# Altium PCB Tigershark 3D R2.PcbDoc (part 3 of 4) (continued)
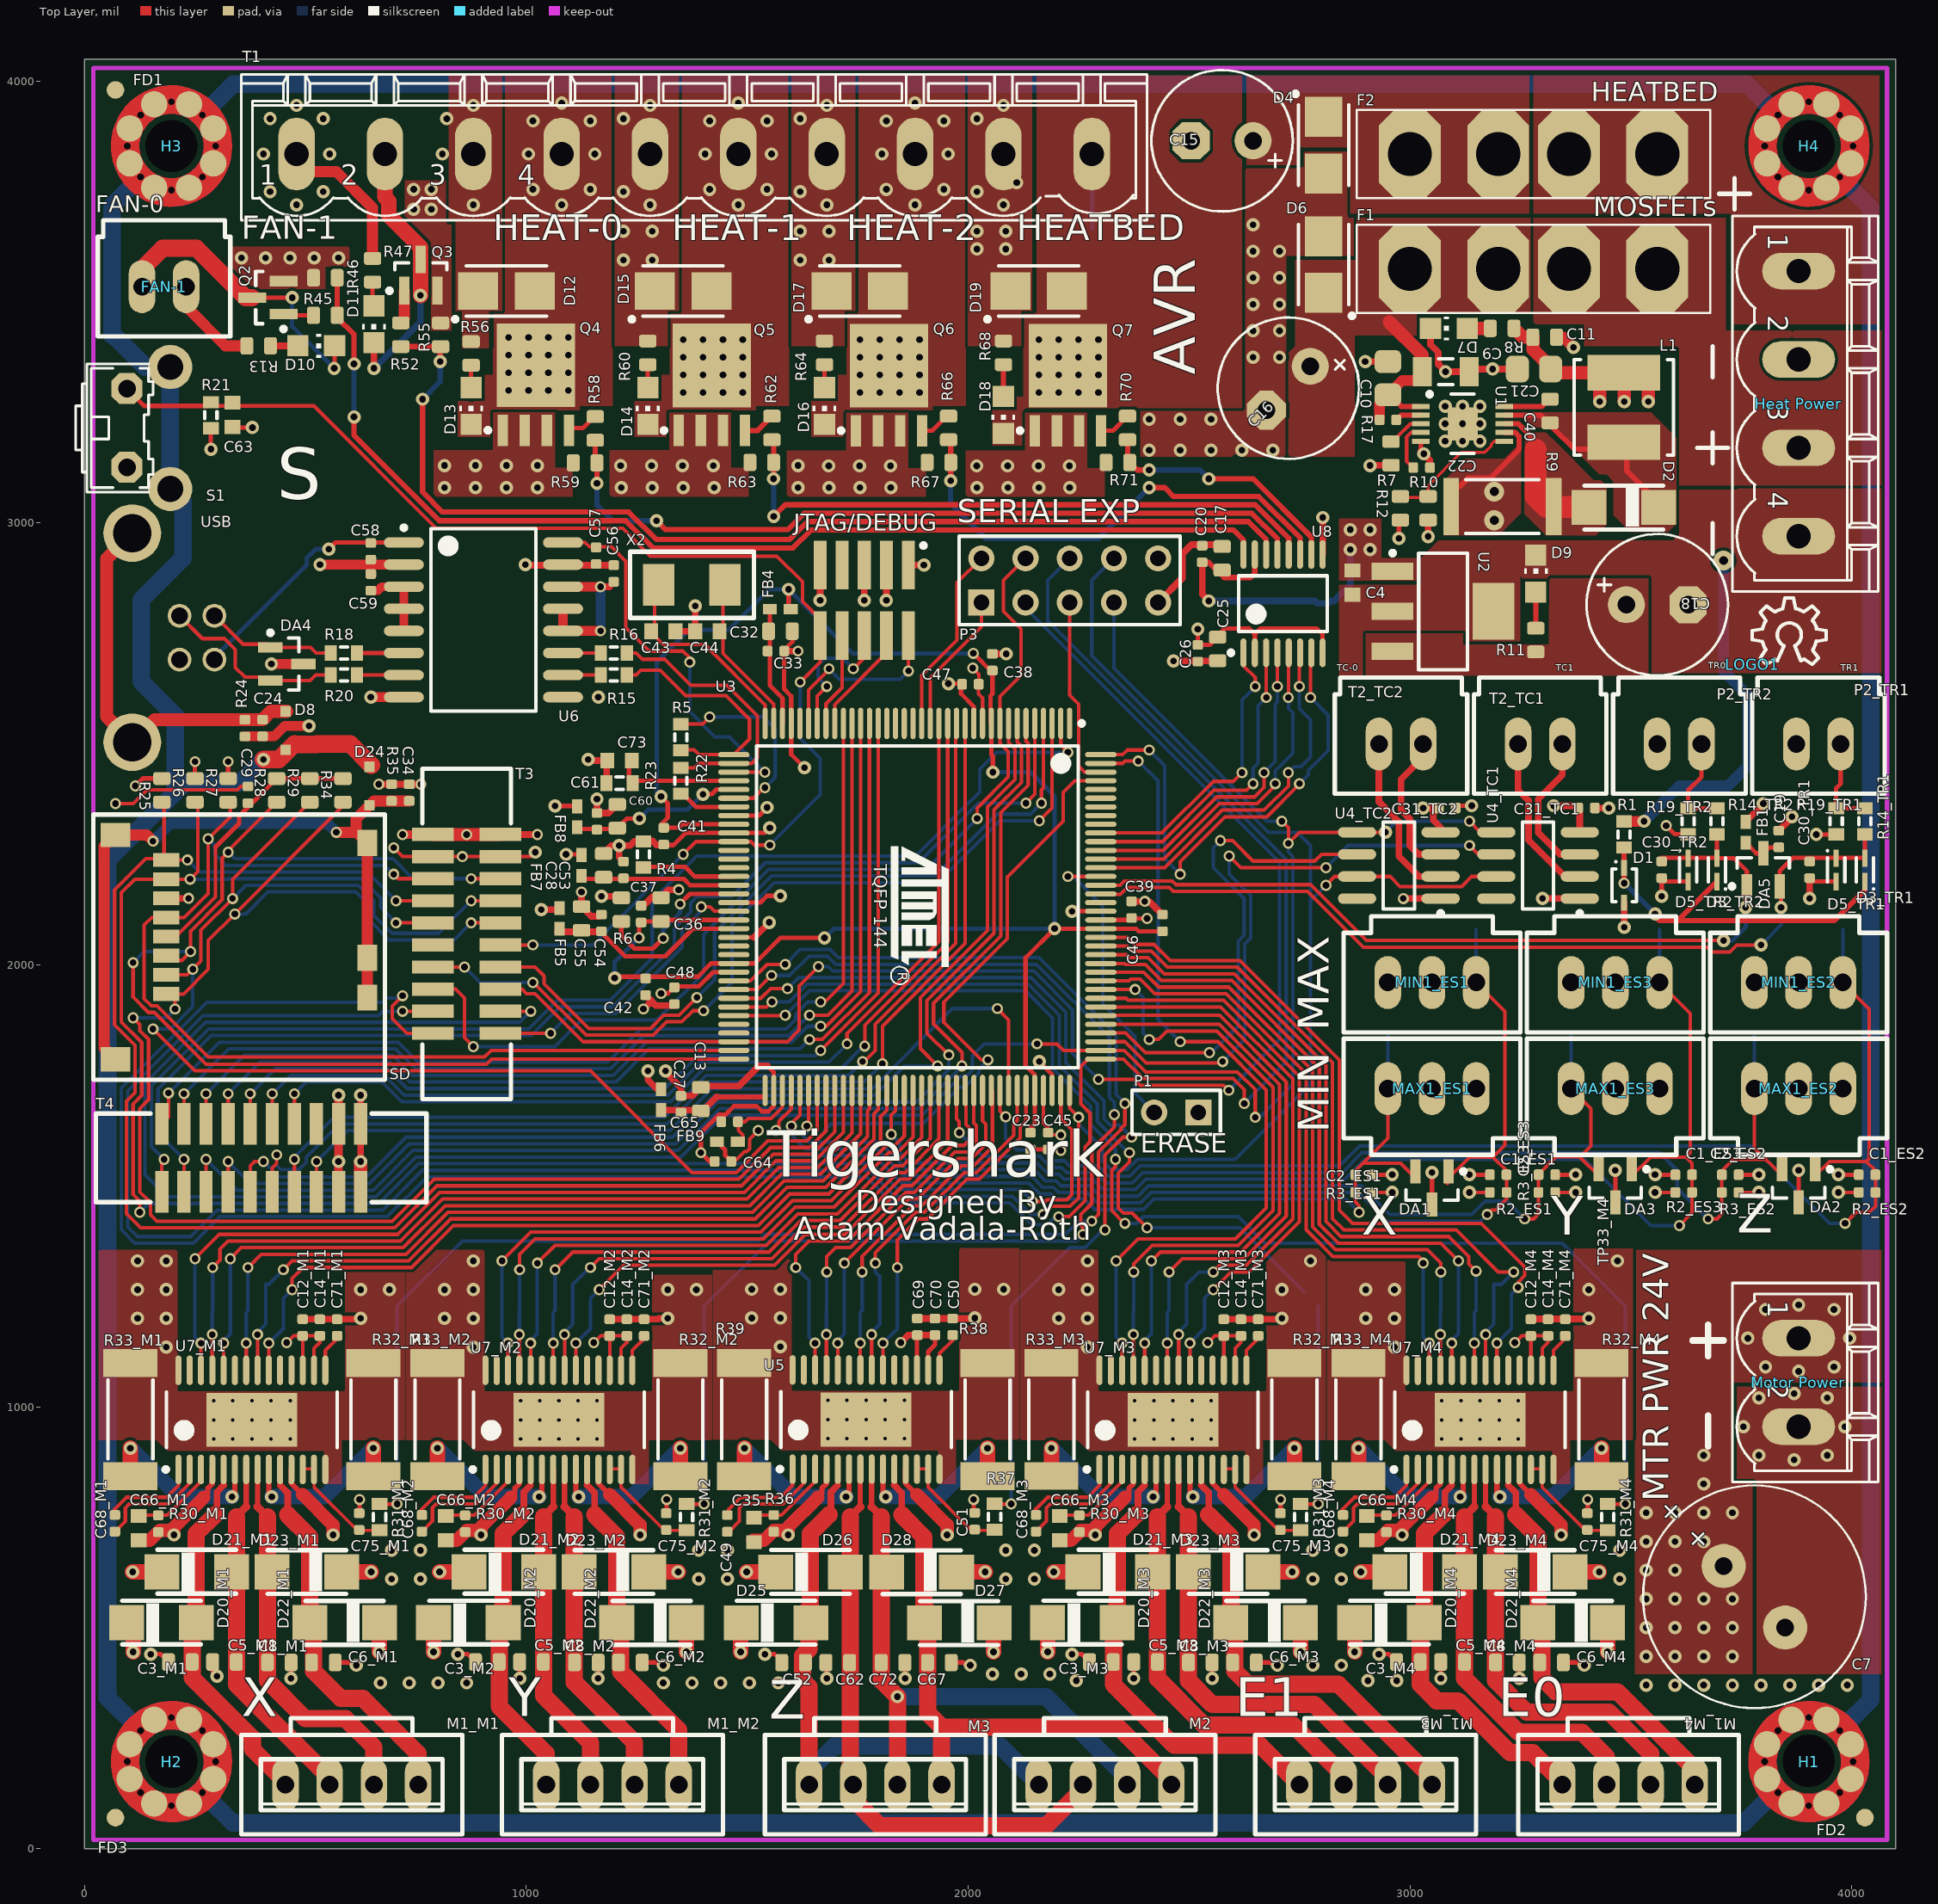
[diagram p0: Top Layer view]
## Nets (pads, with @x,y where several pads share a name; then routed paths per layer and width w, separated by ;. In a path a pad name is that pad's centre, name@x,y a point inside that pad or via, vN(x,y) a via of type N, cw(c..) or ccw(c..) an arc to the next point about the centre after c; other vN are vias at no path point) (continued)
  Bottom Layer w8: v2(110,1880) 185,1880 v2(205,1900) ; v2(340,2115) 365,2115 415,2165 613.79,2165 640,2138.79 640,2105.55 689.05,2056.5 836.5,2056.5 v2(875,2095)
MCDZ3: R29.1 SD.2 T3.13 U3.79 | length 3231.1
  Top Layer w8: v2(155,1855) 250,1760 1145,1760 1375,1530 1474.98,1530 1546.48,1601.5 1634.73,1601.5 1658.5,1625.27 1658.5,1715.63 U3.79@1658.62,1715.75 ; SD.2@185,1977.31 232.31,1977.31 263.5,2008.5 263.5,2078.5 v2(335,2150) 335,2193.23 R29.1@510,2368.23 ; v2(875,2145) T3.13@941.77,2145
  Bottom Layer w8: v2(155,1855) 195,1855 245,1905 v2(245,1990) ; v2(335,2150) 365,2180 620,2180 655,2145 655,2111.77 695.27,2071.5 801.5,2071.5 v2(875,2145)
MIN_ES1: C1_ES1.1 DA1.1 MIN1_ES1.1 R2_ES1.1 TP9_ES1.1 U3.77 | length 2636.5
  Top Layer w8: v2(1600,1635) 1600,1641.21 1619.25,1660.47 U3.77@1619.25,1715.75 ; DA1.1@3085,1505 3080,1510 3135,1565 3188.03,1565 ; MIN1_ES1.1@3150,1960 3215,1895 3215,1591.97 3188.03,1565 ; v2(3175,1435) 3185,1445 3193.9,1445 3218.9,1470 ; R2_ES1.1@3218.9,1485 3218.9,1534.13 3188.03,1565
  Bottom Layer w8: v2(1600,1635) 1600,1625 1595,1620 1631.5,1583.5 1793.28,1583.5 1855.33,1521.46 2143.69,1521.46 2168.65,1496.5 2192.95,1496.5 2204.45,1485 2269.2,1485 2292.7,1461.5 2390.8,1461.5 2414.3,1485 2883.23,1485 2948.23,1420 3160,1420 v2(3175,1435) ; MIN1_ES1.1@3150,1960 TP9_ES1.1@3150,2080
MIN_ES2: C1_ES2.1 DA2.1 MIN1_ES2.1 R2_ES2.1 TP9_ES2.1 U3.100 | length 3016
  Top Layer w8: U3.100@2072.01,1715.75 2072.01,1669.09 v2(2085,1656.1) ; DA2.1@3920,1519.8 3917.4,1522.4 3950,1555 4033.03,1555 ; MIN1_ES2.1@3980,1960 4040,1900 4040,1561.97 4033.03,1555 ; v2(3985,1415) 4010,1440 4040,1440 4053.9,1453.9 4053.9,1470 ; R2_ES2.1@4053.9,1485 4053.9,1534.13 4033.03,1555
  Bottom Layer w8: v2(2085,1656.1) 2085,1606.46 2110,1581.46 2168.54,1581.46 2193.5,1556.5 2217.8,1556.5 2229.3,1545 2294.05,1545 2317.55,1521.5 2365.95,1521.5 2389.45,1545 2840.7,1545 2885.7,1590 3775,1590 3950,1415 v2(3985,1415) ; MIN1_ES2.1@3980,1960 TP9_ES2.1@3980,2080
MIN_ES3: C1_ES3.1 DA3.1 MIN1_ES3.1 R2_ES3.1 TP9_ES3.1 U3.88 | length 2889.1
  Top Layer w8: v2(1826.1,1616.1) 1826.1,1659.89 1835.79,1669.57 U3.88@1835.79,1715.75 ; DA3.1@3502.4,1522.4 3545,1565 3625,1565 ; MIN1_ES3.1@3565,1960 3635,1890 3635,1574.91 3625.04,1564.96 3638.7,1551.3 C1_ES3.1@3638.7,1525 R2_ES3.1@3638.7,1485 ; v2(3610,1410) 3638.7,1438.7 3638.7,1470
  Bottom Layer w8: v2(1826.1,1616.1) 1845,1597.2 1845,1574.21 1867.75,1551.46 2156.12,1551.46 2181.07,1526.5 2205.37,1526.5 2216.87,1515 2281.63,1515 2305.13,1491.5 2378.37,1491.5 2401.87,1515 2853.13,1515 2898.13,1560 3395,1560 3545,1410 v2(3610,1410) ; MIN1_ES3.1@3565,1960 TP9_ES3.1@3565,2080
MISO: P3.8 T3.4 TP7.1 U3.108 U4_TC1.7 U4_TC2.7 | length 6201.2
  Top Layer w8: v2(720,1895) T3.4@788.23,1895 ; v2(2170,1435) 2188.5,1453.5 2231.07,1453.5 2250,1472.43 v2(2250,1655) 2229.49,1675.51 U3.108@2229.49,1715.75 ; v2(2810,2180) 2830,2200 U4_TC2.7@2880.51,2200 2955,2200 2977.81,2177.19 3117.19,2177.19 3140,2200 U4_TC1.7@3195.51,2200
  Bottom Layer w8: v2(720,1895) 675,1895 665,1885 268.13,1885 98,1714.87 98,1407 120,1385 240,1385 300,1445 347.8,1445 675,1445 765,1535 1776.21,1535 1834.76,1476.46 2100.31,1476.46 2141.77,1435 v2(2170,1435) ; v2(2250,1655) 2250,1640 2304.05,1585.95 2304.05,1556.21 2323.77,1536.5 2359.73,1536.5 2383.23,1560 2605,1560 2775,1730 TP7.1@2775,2105 2775,2145 ; P3.8@2330,2920 2280,2870 2280,2700 2680,2300 2745,2300 2775,2270 2775,2145 ; v2(2810,2180) 2775,2145
MOD0E1: TP37_M1.1 U3.84 U7_M1.24 | length 1900
  Top Layer w8: U7_M1.24@314.76,1083.46 v3(314.76,1143.9) ; v3(330,1335) 355,1360 721.36,1360 816.36,1455 1506.04,1455 1577.54,1526.5 1665.8,1526.5 1757.05,1617.75 U3.84@1757.05,1715.75
  Bottom Layer w8: v3(314.76,1143.9) 314.76,1149.83 329.97,1165.03 TP37_M1.1@329.97,1277.03 v3(330,1335)
MOD0E2: TP37_M2.1 U3.91 U7_M2.24 | length 1342
  Top Layer w8: U7_M2.24@1009.76,1083.46 v3(1009.76,1143.9) ; v3(1025,1325) 1065,1365 1543.32,1365 1614.82,1436.5 1704.22,1436.5 1827.72,1560 1845.66,1560 1894.84,1609.18 U3.91@1894.84,1715.75
  Bottom Layer w8: v3(1009.76,1143.9) 1009.76,1149.83 1024.97,1165.03 TP37_M2.1@1024.97,1277.03 v3(1025,1325)
MOD0E3: TP37_M3.1 U3.113 U7_M3.24 | length 1340.1
  Top Layer w8: U3.113@2300.35,1865.35 2568.73,1865.35 2705,1729.08 2705,1437.43 2617.57,1350 2435,1350 v3(2415,1330) ; U7_M3.24@2399.76,1083.46 v3(2399.76,1143.9)
  Bottom Layer w8: v3(2399.76,1143.9) 2399.76,1149.83 2414.97,1165.03 TP37_M3.1@2414.97,1277.03 v3(2415,1330)
MOD0E4: TP37_M4.1 U3.120 U7_M4.24 | length 1548.2
  Top Layer w8: U3.120@2300.35,2003.15 2354.06,2003.15 2356.1,2001.1 2401.1,2001.1 2437.48,1964.72 2596.64,1964.72 2795,1766.36 2795,1413.13 2838.13,1370 3070,1370 v3(3109.97,1330.03) ; U7_M4.24@3094.76,1083.46 v3(3094.76,1143.9)
  Bottom Layer w8: v3(3094.76,1143.9) 3094.76,1149.83 3109.97,1165.03 TP37_M4.1@3109.97,1277.03 v3(3109.97,1330.03)
MOD0E_Z: TP19.1 U3.98 U5.24 | length 798.3
  Top Layer w8: U5.24@1704.8,1083.43 v3(1704.8,1143.87) ; v3(1720,1325) 1865,1470 1884.85,1470 1976.35,1561.5 2007.71,1561.5 2040,1593.79 2040,1640 2032.64,1647.36 U3.98@2032.64,1715.75
  Bottom Layer w8: v3@1704.8,1149.8 1720,1165 TP19.1@1720,1266 v3(1720,1325)
MOD1E1: TP36_M1.1 U3.83 U7_M1.25 | length 1916.4
  Top Layer w8: U7_M1.25@289.17,1083.46 v3(289.17,1163.31) ; v3(290,1315) 306.5,1331.5 306.5,1356.5 325,1375 715.15,1375 810.15,1470 1499.83,1470 1571.33,1541.5 1659.59,1541.5 1737.36,1619.28 U3.83@1737.36,1715.75
  Bottom Layer w8: v3(289.17,1163.31) 289.17,1216.24 TP36_M1.1@289.97,1217.03 v3(290,1315)
MOD1E2: TP36_M2.1 U3.90 U7_M2.25 | length 1367.1
  Top Layer w8: U7_M2.25@984.17,1083.46 v3(984.17,1163.31) ; v3(985,1310) 985,1345 1020,1380 1537.11,1380 1608.61,1451.5 1696.87,1451.5 1821.08,1575.72 1840.16,1575.72 1875.16,1610.71 U3.90@1875.16,1715.75
  Bottom Layer w8: v3(984.17,1163.31) 984.17,1216.24 TP36_M2.1@984.97,1217.03 984.97,1265 ; 985,1265.03 v3(985,1310)
MOD1E3: TP36_M3.1 U3.117 U7_M3.25 | length 1420.3
  Top Layer w8: U3.117@2300.35,1944.09 v2(2378.11,1944.09) ; U7_M3.25@2374.17,1083.46 v3(2374.17,1163.31) ; v3(2375,1305) 2375,1323.23 2416.77,1365 2611.36,1365 2690,1443.64 2690,1722.87 2563.27,1849.6 2449.6,1849.6 2431.1,1831.1 v2(2410,1831.1)
  Bottom Layer w8: v3(2374.17,1163.31) 2374.17,1216.24 TP36_M3.1@2374.97,1217.03 v3@2374.97,1297.03 ; v2(2378.11,1944.09) 2396.1,1926.1 2396.1,1845 v2(2410,1831.1)
MOD1E4: TP36_M4.1 U3.119 U7_M4.25 | length 1483.2
  Top Layer w8: U3.119@2300.35,1983.46 2397.36,1983.46 2431.1,1949.72 2590.42,1949.72 2780,1760.15 2780,1406.91 2831.91,1355 3040,1355 3069.97,1325.03 v3(3069.97,1305.03) ; U7_M4.25@3069.17,1083.46 v3(3069.17,1163.31)
  Bottom Layer w8: v3(3069.17,1163.31) 3069.17,1216.24 TP36_M4.1@3069.97,1217.03 v3@3069.97,1297.03
MOD1E_Z: TP18.1 U3.97 U5.25 | length 815.8
  Top Layer w8: U5.25@1679.2,1083.43 v3(1679.2,1163.28) ; v3(1680,1305) 1680,1340 1700,1360 1733.79,1360 1858.79,1485 1878.64,1485 1970.14,1576.5 2001.5,1576.5 2018.5,1593.5 2018.5,1636.5 2012.95,1642.05 U3.97@2012.95,1715.75
  Bottom Layer w8: v3(1679.2,1163.28) TP18.1@1679.2,1216.2 ; TP18.1@1680,1217 v3@1680,1297
MOD2E1: TP35_M1.1 U3.82 U7_M1.26 | length 1938.2
  Top Layer w8: v3(250,1335) 305,1390 708.93,1390 803.93,1485 1493.62,1485 1565.12,1556.5 1653.37,1556.5 1717.68,1620.8 U3.82@1717.68,1715.75 ; U7_M1.26@263.58,1083.46 v3(263.58,1143.9)
  Bottom Layer w8: v3(250,1335) TP35_M1.1@249.97,1277.03 249.97,1157.51 v3(263.58,1143.9)
MOD2E2: TP35_M2.1 U3.89 U7_M2.26 | length 1383.1
  Top Layer w8: v3(945,1330) 1010,1395 1530.9,1395 1602.4,1466.5 1690.65,1466.5 1814.87,1590.72 1833.95,1590.72 1855.47,1612.24 U3.89@1855.47,1715.75 ; U7_M2.26@958.58,1083.46 v3(958.58,1143.9)
  Bottom Layer w8: v3(945,1330) TP35_M2.1@944.97,1277.03 944.97,1157.51 v3(958.58,1143.9)
MOD2E3: TP35_M3.1 U3.143 U7_M3.26 | length 1910.1
  Top Layer w8: U3.143@2300.35,2455.91 2349.8,2455.91 2355,2461.1 v2(2385,2461.1) ; v3(2335,1330) 2385,1380 2605.15,1380 2675,1449.85 2675,1716.65 2565.55,1826.1 v2(2480,1826.1) ; U7_M3.26@2348.58,1083.46 v3(2348.58,1143.9)
  Bottom Layer w8: v3(2335,1330) TP35_M3.1@2334.97,1277.03 2334.97,1157.51 v3(2348.58,1143.9) ; v2(2385,2461.1) 2430,2416.1 2430,1876.1 v2(2480,1826.1)
MOD2E4: TP35_M4.1 U3.118 U7_M4.26 | length 1454.4
  Top Layer w8: U3.118@2300.35,1963.78 2364.56,1963.78 2368.38,1967.59 2389.61,1967.59 2422.48,1934.72 2584.21,1934.72 2765,1753.93 2765,1400.7 2825.7,1340 3020,1340 v3@3030,1330 ; U7_M4.26@3043.58,1083.46 v3(3043.58,1143.9)
  Bottom Layer w8: TP35_M4.1@3029.97,1277.03 3029.97,1157.51 v3(3043.58,1143.9) ; TP35_M4.1@3030,1277.06 v3@3030,1330
  other v3: 3030,1325
MOD2E_Z: TP17.1 U3.96 U5.26 | length 896.7
  Top Layer w8: v3(1610,1315) 1610,1345 1640,1375 1727.57,1375 1852.57,1500 1872.43,1500 1963.93,1591.5 1991.5,1591.5 2003.5,1603.5 2003.5,1630.29 1995,1638.79 1995,1714.02 U3.96@1993.27,1715.75 ; U5.26@1653.61,1083.43 v3(1653.61,1143.87)
  Bottom Layer w8: v3(1610,1315) 1640,1285 1640,1157.48 v3(1653.61,1143.87)
MODE0_EXP1: T4.1 U3.2 | length 2802.2
  Top Layer w8: T4.1@175,1486.46 v2@175,1560 ; U3.2@2209.8,2546.46 2209.8,2497.4 v2(2226.1,2481.1)
  Bottom Layer w8: v2(180,1560) 151.5,1588.5 151.5,1725.95 280.55,1855 1005,1855 1070,1920 1189.94,1920 1285,2015.06 1285,2145 1386.1,2246.1 1880.91,2246.1 2004.41,2369.6 2004.6,2369.6 2026.1,2391.1 2026.1,2442.87 2064.33,2481.1 2211.1,2481.1
MODE0_EXP2: T4.2 U3.27 | length 2329.6
  Top Layer w8: T4.2@175,1640 190,1655 v2(190,1710) ; v2(1666.1,1916.1) 1676.1,1916.1 1717.68,1957.68 U3.27@1717.68,2546.46
  Bottom Layer w8: v2(190,1710) 305,1825 710,1825 755,1780 1184.59,1780 1259.3,1854.71 1587.95,1854.71 1609.6,1876.37 1609.6,1888.39 1637.32,1916.1 v2@1656.1,1916.1
MODE1_EXP1: T4.3 U3.5 | length 2713.3
  Top Layer w8: T4.3@225,1486.46 v2(225,1560) ; v2(2131.1,2366.1) 2151,2386 2151,2546.2 U3.5@2150.75,2546.46
  Bottom Layer w8: v2(225,1560) 166.5,1618.5 166.5,1719.73 286.77,1840 1011.21,1840 1076.21,1905 1196.16,1905 1335,2043.84 1335,2082.37 1371.82,2119.19 1371.82,2140.05 1386.37,2154.6 1464.6,2154.6 1541.1,2231.1 1887.12,2231.1 2010.62,2354.6 2010.82,2354.6 2022.32,2366.1 v2(2131.1,2366.1)
MODE1_EXP2: T4.4 U3.26 | length 2320.1
  Top Layer w8: T4.4@225,1640 v2(225,1708.23) ; v2(1641.1,1886.1) 1682.46,1886.1 1737.36,1941 U3.26@1737.36,2546.46
  Bottom Layer w8: v2(225,1708.23) 326.77,1810 703.79,1810 748.79,1765 1190.8,1765 1265.52,1839.71 1594.16,1839.71 1624.6,1870.16 1624.6,1870.82 1639.89,1886.1 v2(1641.1,1886.1)
MODE2_EXP1: T4.5 U3.6 | length 2822.9
  Top Layer w8: T4.5@275,1486.46 v2(275,1560) ; v2(1986.1,1771.1) 1986.1,1801.71 1921.71,1866.1 1921.71,1913.07 2073.86,2065.22 2073.86,2344.61 2136,2406.76 2136,2501.2 2131.06,2506.14 U3.6@2131.06,2546.46
  Bottom Layer w8: v2(275,1560) 345,1490 366.44,1490 653.56,1490 743.56,1580 1343.79,1580 1438.5,1674.71 1889.71,1674.71 v2(1986.1,1771.1)
MODE2_EXP2: T4.6 U3.25 | length 2290.3
  Top Layer w8: T4.6@275,1640 v2(275,1708.23) ; v2(1666.1,1861.1) 1678.68,1861.1 1757.05,1939.47 U3.25@1757.05,2546.46
  Bottom Layer w8: v2(275,1708.23) 361.77,1795 697.57,1795 742.57,1750 1197.02,1750 1271.73,1824.71 1600.37,1824.71 1636.76,1861.1 v2(1666.1,1861.1)
MOSI: P3.6 T3.2 TP8.1 U3.109 | length 5792.6
  Top Layer w8: v2@715,1935 715,1925 696.5,1906.5 696.5,1878.5 730,1845 T3.2@788.23,1845 ; v2(2205,1430) 2228.79,1430 2265,1466.21 2265,1531.63 2265,1588.37 2276.1,1599.48 2276.1,1663.9 2255,1685 2255,1770 2271.61,1786.61 U3.109@2300.35,1786.61 2351.95,1786.61 2395.96,1742.6 2599.6,1742.6 2625,1717.2 v2(2625,1686.1)
  Bottom Layer w8: 705,1925 685,1925 675,1915 276.91,1915 83,1721.09 83,1400.79 113.79,1370 246.21,1370 306.21,1430 341.59,1430 685,1430 775,1520 1770,1520 1828.54,1461.46 2094.1,1461.46 2144.05,1411.5 2179.73,1411.5 2198.23,1430 v2(2205,1430) ; P3.6@2230,2920 2180,2870 2180,2778.79 2720,2238.79 2720,1781.1 v2(2625,1686.1) v2@2625,1686.21
  other v2: 720,1930
NetC3_M1_1: C3_M1.1 D20_M1.A M1_M1.4 U7_M1.5 | length 826
  Top Layer w12: 314.76,822.28 U7_M1.5@314.76,859.06
  Top Layer w15: 295.74,755.74 299.5,759.5 299.5,807.02 314.76,822.28
  Top Layer w39: 295.74,755.74 252.74,712.74 252.74,546.26 243.74,537.26 243.74,386.26 380,250 380,225 M1_M1.4@455,150
NetC3_M2_1: C3_M2.1 D20_M2.A M1_M2.4 U7_M2.5 | length 787.5
  Top Layer w12: 1009.76,822.28 U7_M2.5@1009.76,859.06
  Top Layer w15: 990.74,755.74 994.5,759.5 994.5,807.02 1009.76,822.28
  Top Layer w39: 990.74,755.74 947.74,712.74 947.74,546.26 938.74,537.26 938.74,321.26 1045,215 M1_M2.4@1045,145
NetC3_M3_1: C3_M3.1 D20_M3.A M1_M3.4 U7_M3.5 | length 1032.2
  Top Layer w12: 2399.76,822.28 U7_M3.5@2399.76,859.06
  Top Layer w15: 2380.74,755.74 2384.5,759.5 2384.5,807.02 2399.76,822.28
  Top Layer w39: 2380.74,755.74 2337.74,712.74 2337.74,546.26 2328.74,537.26 2328.74,371.26 2466,234 2661,234 M1_M3.4@2750,145
NetC3_M4_1: C3_M4.1 D20_M4.A M1_M4.4 U7_M4.5 | length 930.1
  Top Layer w12: 3094.76,822.28 U7_M4.5@3094.76,859.06
  Top Layer w15: 3075.74,755.74 3079.5,759.5 3079.5,807.02 3094.76,822.28
  Top Layer w39: 3075.74,755.74 3032.74,712.74 3032.74,546.26 3023.74,537.26 3023.74,371.31 3060.7,334.36 3109.36,334.36 3226.71,217 3278,217 M1_M4.4@3345,150
NetC5_M1_1: C5_M1.1 D21_M1.A M1_M1.3 U7_M1.7 | length 788.7
  Top Layer w12: 365.94,773.46 U7_M1.7@365.94,859.06
  Top Layer w18: 343.74,751.26 365.94,773.46
  Top Layer w39: 343.74,751.26 343.74,371.26 M1_M1.3@550,165
NetC5_M2_1: C5_M2.1 D21_M2.A M1_M2.3 U7_M2.7 | length 767.3
  Top Layer w12: 1060.94,773.46 U7_M2.7@1060.94,859.06
  Top Layer w18: 1038.74,751.26 1060.94,773.46
  Top Layer w39: 1038.74,751.26 1038.74,346.26 1145,240 M1_M2.3@1145,145
NetC5_M3_1: C5_M3.1 D21_M3.A M1_M3.3 U7_M3.7 | length 1015.6
  Top Layer w12: 2450.94,773.46 U7_M3.7@2450.94,859.06
  Top Layer w18: 2428.74,751.26 2450.94,773.46
  Top Layer w39: 2428.74,751.26 2428.74,385.03 2533.77,280 2735,280 2850,165 M1_M3.3@2850,145
NetC5_M4_1: C5_M4.1 D21_M4.A M1_M4.3 U7_M4.7 | length 935.8
  Top Layer w12: 3145.94,773.46 U7_M4.7@3145.94,859.06
  Top Layer w18: 3123.74,751.26 3145.94,773.46
  Top Layer w39: 3123.74,751.26 3123.74,385.03 3245.77,263 3390,263 3445,208 M1_M4.3@3445,150
NetC6_M1_1: C6_M1.1 D22_M1.A M1_M1.1 U7_M1.10 | length 867.7
  Top Layer w12: 442.72,822.28 U7_M1.10@442.72,859.06
  Top Layer w15: 442.72,822.28 459.74,805.26 459.74,755.26
  Top Layer w39: 459.74,755.26 509.74,705.26 509.74,546.26 518.74,537.26 518.74,401.26 580,340 630,340 755,215 M1_M1.1@755,150
NetC6_M2_1: C6_M2.1 D22_M2.A M1_M2.1 U7_M2.10 | length 799.9
  Top Layer w12: 1137.72,822.28 U7_M2.10@1137.72,859.06
  Top Layer w15: 1137.72,822.28 1154.74,805.26 1154.74,755.26
  Top Layer w39: 1154.74,755.26 1204.74,705.26 1204.74,546.26 1213.74,537.26 1213.74,399.95 1345,268.69 M1_M2.1@1345,145
NetC6_M3_1: C6_M3.1 D22_M3.A M1_M3.1 U7_M3.10 | length 1050.2
  Top Layer w12: 2527.72,822.28 U7_M3.10@2527.72,859.06
  Top Layer w15: 2527.72,822.28 2544.74,805.26 2544.74,755.26
  Top Layer w39: 2544.74,755.26 2594.74,705.26 2594.74,546.26 2603.74,537.26 2603.74,401.72 2633.46,372 2838,372 3050,160 M1_M3.1@3050,145
NetC6_M4_1: C6_M4.1 D22_M4.A M1_M4.1 U7_M4.10 | length 966
  Top Layer w12: 3222.72,822.28 U7_M4.10@3222.72,859.06
  Top Layer w15: 3222.72,822.28 3239.74,805.26 3239.74,755.26
  Top Layer w39: 3239.74,755.26 3289.74,705.26 3289.74,546.26 3298.74,537.26 3298.74,386.26 3330,355 3470,355 3645,180 M1_M4.1@3645,150
NetC8_M1_1: C8_M1.1 D23_M1.A M1_M1.2 U7_M1.8 | length 871.6
  Top Layer w12: 391.54,773.46 U7_M1.8@391.54,859.06
  Top Layer w18: 391.54,773.46 413.74,751.26
  Top Layer w39: 413.74,751.26 413.74,380.08 499.82,294 591,294 655,230 M1_M1.2@655,150
NetC8_M2_1: C8_M2.1 D23_M2.A M1_M2.2 U7_M2.8 | length 779.7
  Top Layer w12: 1086.54,773.46 U7_M2.8@1086.54,859.06
  Top Layer w18: 1086.54,773.46 1108.74,751.26
  Top Layer w39: 1108.74,751.26 1108.74,376.26 1245,240 M1_M2.2@1245,145
NetC8_M3_1: C8_M3.1 D23_M3.A M1_M3.2 U7_M3.8 | length 1045.6
  Top Layer w12: 2476.54,773.46 U7_M3.8@2476.54,859.06
  Top Layer w18: 2476.54,773.46 2498.74,751.26
  Top Layer w39: 2498.74,751.26 2498.74,380.08 2552.82,326 2784,326 2950,160 M1_M3.2@2950,145
NetC8_M4_1: C8_M4.1 D23_M4.A M1_M4.2 U7_M4.8 | length 972.8
  Top Layer w12: 3171.54,773.46 U7_M4.8@3171.54,859.06
  Top Layer w18: 3171.54,773.46 3193.74,751.26
  Top Layer w39: 3193.74,751.26 3193.74,380.08 3264.82,309 3450.95,309 3545,214.95 M1_M4.2@3545,150
NetC19_2: C19.2 DA5.3 FB1.1 | length 90.6
  Top Layer w10: FB1.1@3760,2276.38 3783.98,2252.4 DA5.3@3800,2252.4 3813.6,2266 C19.2@3835,2266
NetC22_1: C22.1 U1.4 | length 112
  Top Layer w8: C22.1@3007.3,3125 2992.52,3139.78 2992.52,3194.29 3002.97,3204.74 U1.4@3024.83,3204.74
NetC24_2: C24.2 D8.A R24.2 USB.5 USB.6 | length 900.4
  Top Layer w30: USB.5@108,2977.01 50,2919.01 50,2561.79 USB.6@108,2503.79 159,2554.79 R24.2@363,2554.79 C24.2@403,2554.79 422.31,2574.1 D8.A@458,2574.1
NetC34_2: C34.2 D24.A R35.2 SD.9 SD.10 SD.11 SD.12 SD.13 | length 1653
  Top Layer w25: SD.9@70,1786 44.5,1811.5 44.5,2268.5 SD.10@70,2294 141,2294 v2(155,2280) ; v2(570,2300) 614,2300 615,2301 ; SD.11@633,1933 640,1940 SD.12@640,2016 SD.13@640,2276 615,2301 ; C34.2@735,2371 R35.2@695,2371 655,2371 615,2331 615,2301
  Bottom Layer w25: v2(155,2280) 195,2320 550,2320 v2(570,2300)
NetC35_2: C35.2 R36.1 U5.3 | length 201.8
  Top Layer w8: C35.2@1512.51,752.53 1514.95,754.97 1577.81,754.97 1653.61,830.77 U5.3@1653.61,859.02
NetC40_1: C40.1 U1.10 | length 93.4
  Top Layer w12: U1.10@3213.8,3263.8 3298.8,3263.8 C40.1@3304.77,3269.77
NetC40_2: C40.2 D2.C L1.1 U1.9 | length 475.6
  Top Layer w12: U1.9@3213.8,3244.11 3295.12,3244.11 3323,3216.23 3371.97,3167.26 3491,3167.26 3491,3117.74 D2.C@3573.74,3035
NetC43_2: C43.2 U3.36 X2.1 | length 476.4
  Top Layer w8: X2.1@1300,2860 1290,2850 1290,2745 1310,2725 1403.79,2725 1540.51,2588.27 U3.36@1540.51,2546.46
NetC44_2: C44.2 U3.35 X2.2 | length 376.3
  Top Layer w8: X2.2@1445,2875 1445,2705 1560.2,2589.8 U3.35@1560.2,2546.46
NetC49_1: C49.1 U5.1 | length 218.5
  Top Layer w8: C49.1@1457.51,753.67 1457.51,767.76 1484.72,794.97 1575.39,794.97 1602.43,822.01 U5.1@1602.43,859.02
NetC49_2: C49.2 U5.2 | length 266.8
  Top Layer w8: C49.2@1457.51,715.97 1482.51,740.97 1482.51,771.55 1490.93,779.97 1581.6,779.97 1628.02,826.39 U5.2@1628.02,859.02
NetC50_2: C50.2 U5.15 | length 91.1
  Top Layer w8: U5.15@1935.34,1083.2 1935.34,1120.34 1965,1150 C50.2@1965,1162
NetC51_2: C51.2 R37.1 U5.12 U5.13 | length 255
  Top Layer w7: U5.12@1883.93,859.02 1909.52,859.02 1909.52,817.96 2007.04,720.44 R37.1@2057.51,720.44
NetC52_1: C52.1 D25.A M2.4 M3.4 U5.5 | length 1349.6
  Top Layer w12: 1704.8,822.25 U5.5@1704.8,859.02
  Top Layer w15: 1689.53,759.47 1689.53,806.99 1704.8,822.25
  Top Layer w39: D25.A@1633.77,537.23 1640,531 1640,451.09 1625,436.09 1625,381.31 1640,366.31 M3.4@1640,145 ; D25.A@1642.77,546.23 1642.77,712.71 1685.77,755.71
  Bottom Layer w39: M3.4@1640,145 1640,175 1696.5,231.5 2073.5,231.5 M2.4@2160,145
NetC56_2: C56.2 U6.12 U6.13 U6.14 | length 355.3
  Top Layer w15: v2(1168,2855.79) 1188,2855.79 C56.2@1199,2866.79
  Top Layer w22: U6.13@1083.12,2805.79 U6.12@1083.12,2755.79 v2(1168,2755.79) ; U6.14@1083.12,2855.79 v2(1168,2855.79)
  Bottom Layer w22: v2(1168,2755.79) v2(1168,2855.79)
NetC58_2: C58.2 U6.1 USB.1 | length 546
  Top Layer w10: v1(553,2940.79) 568,2955.79 U6.1@722.88,2955.79
  Bottom Layer w10: USB.1@294,2695.79 503,2904.79 503,2920.79 523,2940.79 v1(553,2940.79)
NetC59_2: C59.2 U6.3 U6.4 U6.5 | length 178.6
  Top Layer w20: C59.2@648,2846.79 664,2846.79 673,2855.79 U6.3@722.88,2855.79 U6.4@722.88,2805.79 U6.5@722.88,2755.79
NetC62_1: C62.1 D26.A M2.3 M3.3 U5.7 | length 1348.7
  Top Layer w12: 1755.98,773.43 U5.7@1755.98,859.02
  Top Layer w18: 1733.77,751.23 1755.98,773.43
  Top Layer w39: 1733.77,751.23 1733.77,151.23 M3.3@1740,145 1740,111.5 1800,51.5 2176.4,51.5 2260,135.1 M2.3@2260,145
NetC66_M1_2: C66_M1.2 R30_M1.1 U7_M1.3 | length 201.8
  Top Layer w8: C66_M1.2@122.48,752.56 124.92,755 187.78,755 263.58,830.8 U7_M1.3@263.58,859.06
NetC66_M2_2: C66_M2.2 R30_M2.1 U7_M2.3 | length 201.8
  Top Layer w8: C66_M2.2@817.48,752.56 819.92,755 882.78,755 958.58,830.8 U7_M2.3@958.58,859.06
NetC66_M3_2: C66_M3.2 R30_M3.1 U7_M3.3 | length 201.8
  Top Layer w8: C66_M3.2@2207.48,752.56 2209.92,755 2272.78,755 2348.58,830.8 U7_M3.3@2348.58,859.06
NetC66_M4_2: C66_M4.2 R30_M4.1 U7_M4.3 | length 201.8
  Top Layer w8: C66_M4.2@2902.48,752.56 2904.92,755 2967.78,755 3043.58,830.8 U7_M4.3@3043.58,859.06
NetC67_1: C67.1 D27.A M2.1 M3.1 U5.10 | length 1338.1
  Top Layer w12: 1832.75,822.25 U5.10@1832.75,859.02
  Top Layer w15: 1832.75,822.25 1849.77,805.23 1849.77,755.23
  Top Layer w39: 1849.77,755.23 1899.77,705.23 1899.77,546.23 1908.77,537.23 1908.77,306.23 1940,275 ; M3.1@1940,145 1940,275 ; M2.1@2460,145 2460,154.9 2339.9,275 1940,275
NetC68_M1_1: C68_M1.1 U7_M1.1 | length 218.5
  Top Layer w8: C68_M1.1@67.48,753.7 67.48,767.79 94.69,795 185.36,795 212.4,822.05 U7_M1.1@212.4,859.06
NetC68_M1_2: C68_M1.2 U7_M1.2 | length 266.8
  Top Layer w8: C68_M1.2@67.48,716 92.48,741 92.48,771.58 100.9,780 191.57,780 237.99,826.42 U7_M1.2@237.99,859.06
NetC68_M2_1: C68_M2.1 U7_M2.1 | length 218.5
  Top Layer w8: C68_M2.1@762.48,753.7 762.48,767.79 789.69,795 880.36,795 907.4,822.05 U7_M2.1@907.4,859.06
NetC68_M2_2: C68_M2.2 U7_M2.2 | length 266.8
  Top Layer w8: C68_M2.2@762.48,716 787.48,741 787.48,771.58 795.9,780 886.57,780 932.99,826.42 U7_M2.2@932.99,859.06
NetC68_M3_1: C68_M3.1 U7_M3.1 | length 218.5
  Top Layer w8: C68_M3.1@2152.48,753.7 2152.48,767.79 2179.69,795 2270.36,795 2297.4,822.05 U7_M3.1@2297.4,859.06
NetC68_M3_2: C68_M3.2 U7_M3.2 | length 266.8
  Top Layer w8: C68_M3.2@2152.48,716 2177.48,741 2177.48,771.58 2185.9,780 2276.57,780 2322.99,826.42 U7_M3.2@2322.99,859.06
NetC68_M4_1: C68_M4.1 U7_M4.1 | length 218.5
  Top Layer w8: C68_M4.1@2847.48,753.7 2847.48,767.79 2874.69,795 2965.36,795 2992.4,822.05 U7_M4.1@2992.4,859.06
NetC68_M4_2: C68_M4.2 U7_M4.2 | length 266.8
  Top Layer w8: C68_M4.2@2847.48,716 2872.48,741 2872.48,771.58 2880.9,780 2971.57,780 3017.99,826.42 U7_M4.2@3017.99,859.06
NetC71_M1_2: C71_M1.2 U7_M1.15 | length 88.9
  Top Layer w8: U7_M1.15@545.08,1083.46 545.08,1127.6 572.48,1155 C71_M1.2@572.48,1161
NetC71_M2_2: C71_M2.2 U7_M2.15 | length 88.9
  Top Layer w8: U7_M2.15@1240.08,1083.46 1240.08,1127.6 1267.48,1155 C71_M2.2@1267.48,1161
NetC71_M3_2: C71_M3.2 U7_M3.15 | length 88.9
  Top Layer w8: U7_M3.15@2630.08,1083.46 2630.08,1127.6 2657.48,1155 C71_M3.2@2657.48,1161
NetC71_M4_2: C71_M4.2 U7_M4.15 | length 88.9
  Top Layer w8: U7_M4.15@3325.08,1083.46 3325.08,1127.6 3352.48,1155 C71_M4.2@3352.48,1161
NetC72_1: C72.1 D28.A M2.2 M3.2 U5.8 | length 1349.4
  Top Layer w12: 1781.57,773.43 U5.8@1781.57,859.02
  Top Layer w18: 1781.57,773.43 1803.77,751.23
  Top Layer w39: 1803.77,751.23 1803.77,380.05 v1(1840,343.82) M3.2@1840,145
  Bottom Layer w39: v1(1840,343.82) 1840.35,343.47 2176.53,343.47 2360,160 M2.2@2360,145
NetC73_2: C73.2 R23.2 U3.40 | length 282.9
  Top Layer w10: C73.2@1232.56,2462.32 1232.56,2416.54 U3.40@1469.65,2416.54
NetC75_M1_2: C75_M1.2 R31_M1.1 U7_M1.12 U7_M1.13 | length 255
  Top Layer w7: U7_M1.12@493.9,859.06 519.49,859.06 519.49,817.99 617.01,720.47 R31_M1.1@667.48,720.47
NetC75_M2_2: C75_M2.2 R31_M2.1 U7_M2.12 U7_M2.13 | length 255
  Top Layer w7: U7_M2.12@1188.9,859.06 1214.49,859.06 1214.49,817.99 1312.01,720.47 R31_M2.1@1362.48,720.47
NetC75_M3_2: C75_M3.2 R31_M3.1 U7_M3.12 U7_M3.13 | length 255
  Top Layer w7: U7_M3.12@2578.9,859.06 2604.49,859.06 2604.49,817.99 2702.01,720.47 R31_M3.1@2752.48,720.47
NetC75_M4_2: C75_M4.2 R31_M4.1 U7_M4.12 U7_M4.13 | length 255
  Top Layer w7: U7_M4.12@3273.9,859.06 3299.49,859.06 3299.49,817.99 3397.01,720.47 R31_M4.1@3447.48,720.47
NetD2_A: D2.A R9.2 U1.8 | length 326.9
  Top Layer w12: U1.8@3213.8,3224.43 3245.67,3224.43 3284.88,3185.22 3284.88,3166
  Top Layer w50: 3284.88,3166 3284.88,3061.26 R9.2@3310.14,3036 ; R9.2@3325.14,3036 D2.A@3405,3036
NetD7_A: D7.A R8.1 | length 51.9
  Top Layer w30: D7.A@3130.1,3440.43 R8.1@3182,3440.43
NetD9_A: D9.A R11.1 | length 81.9
  Top Layer w12: R11.1@3285,2761.77 D9.A@3285,2843.66
NetD10_A: D10.A R13.1 | length 61.9
  Top Layer w15: R13.1@420.77,3401 D10.A@482.66,3401
NetD10_C: D10.C FAN-1.2 Q2.3 | length 738.3
  Top Layer w10: FAN-1.2@125,3495 FAN-1.2@125,3570 ; Q2.3@379.57,3510 v1(470,3510) ; v1(565,3350) 566,3351 D10.C@566,3401
  Top Layer w39: FAN-1.2@125,3570 176.5,3621.5 253.4,3621.5 364.9,3510 Q2.3@379.57,3510
  Bottom Layer w10: v1(470,3510) 470,3445 v1(565,3350)
NetD11_A: D11.A R47.1 | length 55.1
  Top Layer w10: R47.1@652,3545.23 652,3494.34 D11.A@655,3491.34
NetD11_C: D11.C Q3.3 T1.2 | length 595.2
  Top Layer w15: v1(655,3350) D11.C@655,3408
  Top Layer w35: T1.2@680,3810 680,3737.33 689,3728.33 689,3696 761,3624 Q3.3@761,3596.43 761,3515.4 v1@760.6,3515
  Bottom Layer w15: v1(655,3350) 760,3455 v1(760,3515)